# KiCad board bottom-board.kicad_pcb (continued)
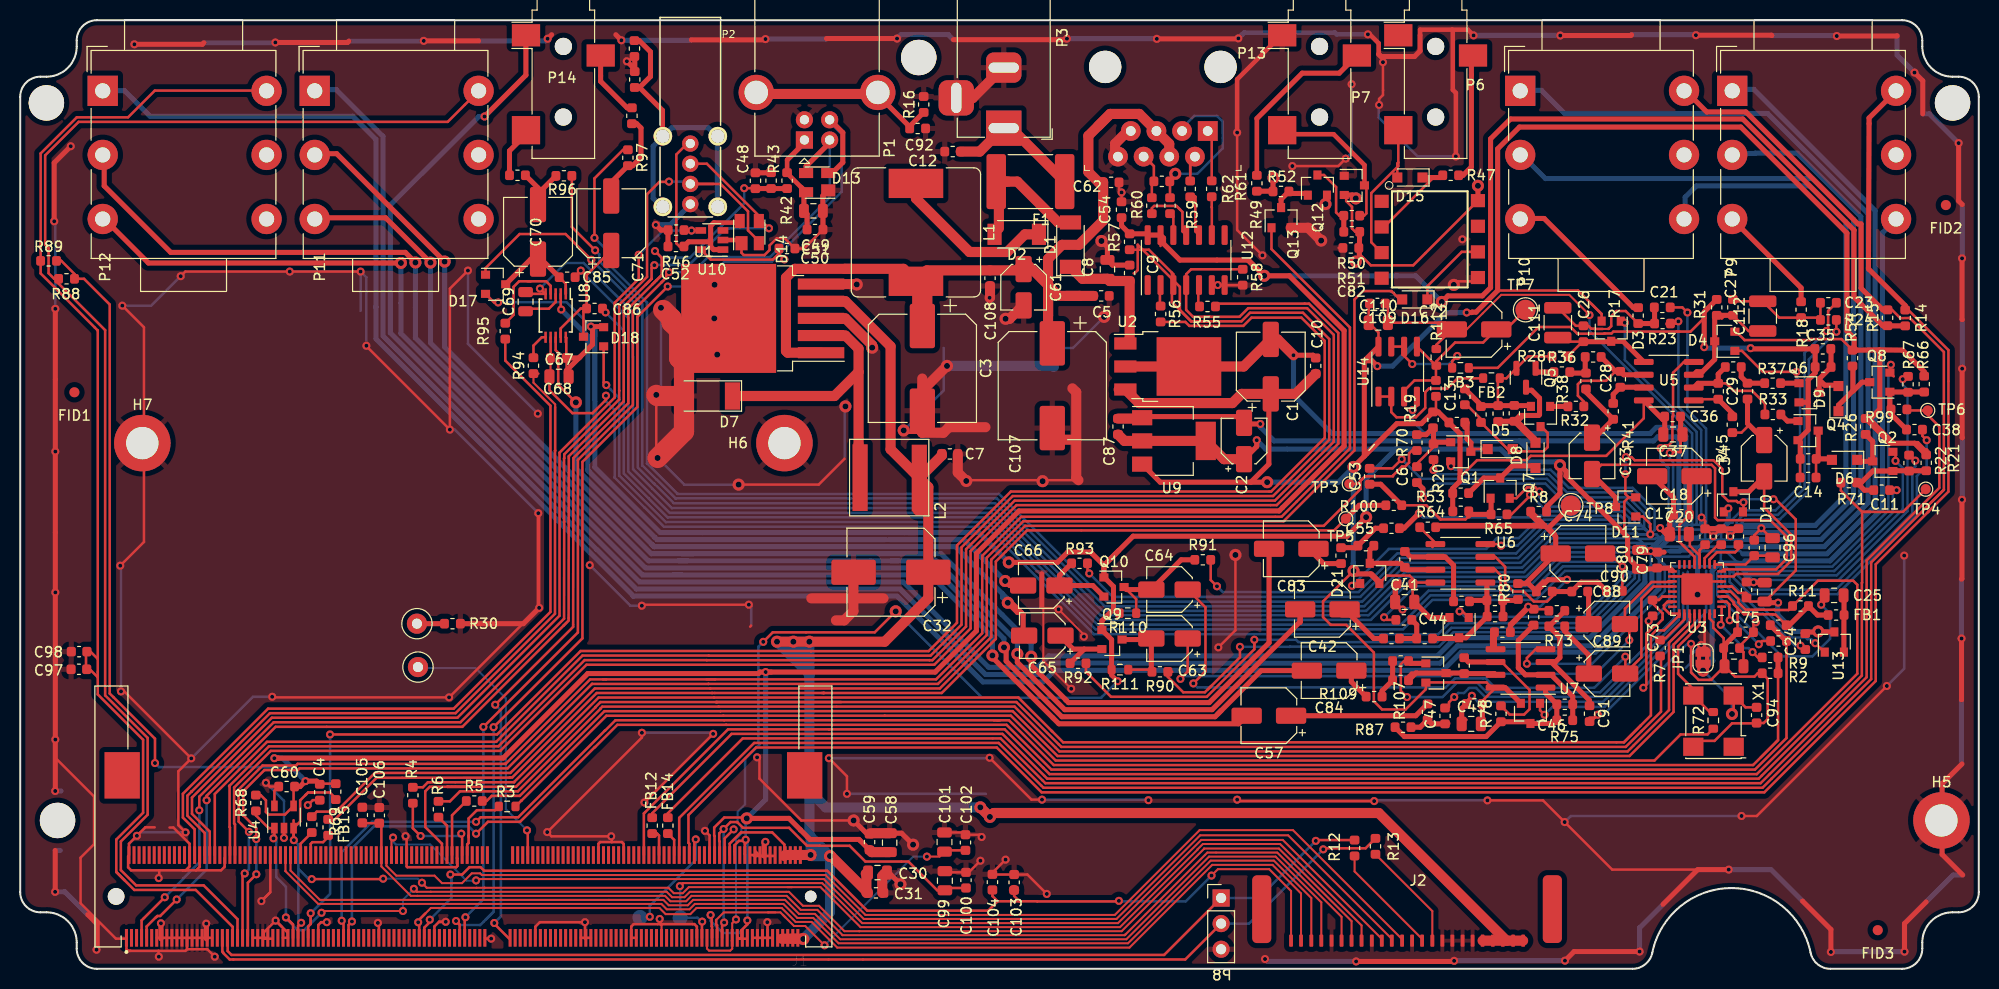
[diagram p0: board, top side]
## Footprints (pads in the part's own frame, mm; a bottom-side part is the same pattern mirrored in y, then rotated) (continued)
  rect 3.5x4.6 smd: S1(37.3,-12) S2(-30.3,-12)
TestPoint_Loop_D1.80mm_Drill1.0mm_Beaded
  round 2 hole 1: 1(0,0)
TestPoint_Pad_D1.0mm
  round 1 smd: 1(0,0)
TestPoint_Pad_D1.5mm
  round 1.5 smd: 1(0,0)
TestPoint_Pad_D2.0mm
  round 2 smd: 1(0,0)
TO-252-3_TabPin2
  rect 3.05x2.75 smd: (0.425,1.525) (0.425,-1.525) (3.775,1.525) (3.775,-1.525)
  rect 2.2x1.2 smd: 1(-4.2,2.28) 2(-4.2,0) 3(-4.2,-2.28)
  rect 6.4x5.8 smd: 2(2.1,0)
TO-263-5_TabPin3
  rect 4.55x5.25 smd: (0.95,2.775) (0.95,-2.775) (5.8,2.775) (5.8,-2.775)
  rect 4.6x1.1 smd: 1(-5.775,3.4) 2(-5.775,1.7) 3(-5.775,0) 4(-5.775,-1.7) 5(-5.775,-3.4)
  rect 9.4x10.8 smd: 3(3.375,0)
TSSOP-10_3x3mm_P0.5mm
  rect 1.1x0.25 smd: 1(-2.15,1) 2(-2.15,0.5) 3(-2.15,0) 4(-2.15,-0.5) 5(-2.15,-1) 6(2.15,-1) 7(2.15,-0.5) 8(2.15,0) 9(2.15,0.5) 10(2.15,1)
USB_A_Vertical
  round 1.62 hole 0.92: 1(0,0) 2(0,-2) 3(0,-4) 4(0,-6)
  round 1.85 hole 1.35: 5(-2.72,0.73) 5(-2.72,-6.27) 5(2.72,0.73) 5(2.72,-6.27)
USB_B_OST_USB-B1HSxx_Horizontal
  rect 1.7x1.7 hole 0.92: 1(0,0)
  round 1.7 hole 0.92: 2(0,-2.5) 3(2,-2.5) 4(2,0)
  round 3.5 hole 2.33: 5(4.71,4.77) 5(4.71,-7.27)

## Nets
+1V8: C99.1 C100.1 J1.228 J1.229
+3.3VA: C73.1 C75.1 C76.1 C77.1 C94.1 FB1.1 R1.1 R2.2 R11.2 U3.3 U3.22 U3.31 X1.4
+3V0: C101.1 C102.1 J1.227
+3V3: C4.2 C54.1 C58.1 C59.1 C60.2 J1.225 J1.226 J1.234 J1.235 J1.237 J1.238 J1.239 R14.1 R15.1 R57.1 R68.1 R69.1 R88.2 R89.2 U4.4 U12.13 U12.14
+5V: C7.1 C30.1 C31.1 C32.1 C51.1 C82.2 D12.2 J1.232 J1.251 J1.252 J1.253 J1.254 J1.255 J1.256 J1.257 J1.258 J1.259 J1.260 J2.20 J2.21 J2.22 J2.23 J2.24 L2.2 R49.2 R51.1 R52.1 U1.4 U10.5 U11.8
+5VA: C2.1 C24.2 C67.2 C68.1 C78.1 C79.1 C80.1 C81.1 C87.1 D10.2 D11.2 D17.2 D18.2 J1.223 J1.233 Q9.1 Q10.1 R8.2 R110.2 R111.2 U3.5 U3.17 U8.10 U9.2 U13.3
+10V: C1.1 C10.1 C36.1 C37.2 C39.1 C41.2 C43.1 C45.2 C109.2 C110.1 D3.2 D4.2 D19.2 D20.2 D21.2 D22.2 R19.2 R21.2 R25.2 R26.2 R53.2 R54.2 R64.2 R66.2 R101.2 U2.3 U5.8 U6.8 U7.8 U9.3 U14.8
+12V: C3.1 C5.1 C61.1 C62.1 C107.1 C108.1 L1.2 P13.4 P13.5 U1.1
GNDA: C1.2 C2.2 C6.2 C10.2 C11.2 C15.2 C16.2 C17.2 C18.2 C19.2 C20.1 C21.2 C23.2 C24.1 C25.1 C36.2 C37.1 C38.2 C39.2 C41.1 C43.2 C44.1 C45.1 C47.1 C53.2 C55.1 C56.1 C67.1 C68.2 C69.2 C72.2 C73.2 C74.2 C75.2 C76.2 C77.2 C78.2 C79.2 C80.2 C81.2 C85.1 C86.1 C87.2 C90.2 C91.2 C94.2 C95.2 C96.1 C109.1 C110.2 D3.1 D4.1 D10.1 D11.1 D17.1 D18.1 D19.1 D20.1 D21.1 D22.1 JP1.1 P9.R P9.S P9.TN P10.R P10.S P10.TN P11.S P12.S P14.S Q1.2 Q2.2 Q7.2 Q8.2 R20.1 R22.1 R23.1 R24.1 R65.1 R67.1 R90.1 R91.1 R92.1 R93.1 R96.1 R97.1 R112.1 U2.2 U3.6 U3.18 U3.33 U5.4 U6.4 U7.4 U8.5 U8.7 U9.1 U13.1 U14.4 X1.2
GNDD: C3.2 C4.1 C5.2 C7.2 C8.2 C9.2 C12.2 C30.2 C31.2 C32.2 C48.2 C49.2 C50.1 C51.2 C52.1 C54.2 C58.2 C59.2 C60.1 C61.2 C62.2 C82.1 C92.1 C93.1 C97.2 C98.2 C99.2 C100.2 C101.2 C102.2 C103.2 C104.2 C105.2 C106.2 C107.2 C108.2 D7.2 D12.1 D13.1 D14.1 H5.1 H6.1 H7.1 J1.1 J1.2 J1.13 J1.15 J1.17 J1.19 J1.21 J1.23 J1.25 J1.26 J1.27 J1.29 J1.30 J1.31 J1.33 J1.35 J1.40 J1.51 J1.53 J1.55 J1.57 J1.58 J1.59 J1.63 J1.65 J1.77 J1.101 J1.112 J1.123 J1.132 J1.143 J1.155 J1.173 J1.175 J1.177 J1.180 J1.190 J1.193 J1.195 J1.205 J1.219 J1.224 J1.230 J1.240 J1.241 J1.242 J1.243 J1.244 J1.245 J1.246 J1.247 J1.248 J1.249 J1.250 J2.5 J2.9 J2.13 J2.16 J2.17 J2.18 J2.19 JP1.2 P1.4 P2.4 P3.2 P3.3 P7.S P8.3 P13.7 P13.8 Q12.2 Q13.2 R16.2 R30.1 R43.2 R46.2 R48.2 R58.2 U1.3 U1.5 U3.30 U4.2 U4.5 U10.2 U11.5 U12.6 U12.7
/audio-inputs/INPUT_BIAS_1: C14.2 C35.2 FB3.1 Q4.2 Q6.2 R29.1 R31.1 R44.1
/audio-inputs/INPUT_BIAS_2: C13.2 C22.2 FB2.1 Q3.2 Q5.2 R27.1 R28.1 R40.1
CHAIN_UART_DE: J1.42 R58.1 U12.4
CHAIN_UART_RE: J1.36 R57.2 U12.3
CHAIN_UART_RX: J1.73 R56.2
CHAIN_UART_TX: J1.44 R55.2
CLI_UART_RX: J1.39 P8.2 R13.2
CLI_UART_TX: J1.41 P8.1 R12.2
CODEC_ADC_A: C34.2 D10.3 U3.7
CODEC_ADC_B: C33.2 D11.3 U3.8
CODEC_DAC_A: C63.1 C88.2 U3.19
CODEC_DAC_B: C64.1 C89.2 U3.20
CODEC_I2C_SCL: J1.89 R1.2 R10.2
CODEC_I2C_SDA: J1.87 R2.1 R9.2
CODEC_I2S_BCLK: J1.128 R6.2
CODEC_I2S_LRCK: J1.130 R5.2
CODEC_I2S_MCLK: J1.136 R3.2
CODEC_I2S_SDIN: J1.134 R4.1
CODEC_I2S_SDOUT: J1.126 R7.2
CODEC_RESET: J1.198 R11.1 U3.4
CODEC_SPDIF_OUT: U3.32
HMI_ISP_ENABLE: C103.1 C104.1 J1.119 J2.1
HMI_RESET: J1.117 J2.2
HMI_RFU_RX: J1.106 J2.11
HMI_RFU_TX: J1.104 J2.12
HMI_UART_RX: J1.64 J2.3
HMI_UART_TX: J1.66 J2.4
HP_CLOCK: J1.28 R95.1
HP_VOL: J1.32 R94.1
IN1_DETECT: J1.216 P9.SN R14.2
IN1_GC1: FB12.2 R71.1 TP4.1
IN1_GC2: FB14.2 R99.1 TP6.1
IN2_DETECT: J1.212 P10.SN R15.2
IN2_GC1: FB13.2 R70.1 TP3.1
IN2_GC2: FB15.2 R100.1 TP5.1
INPUT_BIAS: C72.1 R101.1 R112.2 TP7.1 U14.3 U14.5
MIDI_UART_RX: D16.2 J1.49
MIDI_UART_TX: J1.47 Q13.1
OUT1_DETECT: J1.45 P11.SN R88.1
OUT2_DETECT: C97.1 C98.1 J1.43 P12.SN R89.1
OUTPUT_BIAS: C74.1 R8.1 R76.2 R77.2 R79.1 R80.1 R82.1 R83.1 TP8.1
PM_LEDS_OE: C105.1 C106.1 J1.102 J2.6
PM_LEDS_SCL: J1.67 J2.7 R68.2 U4.1
PM_LEDS_SDA: J1.69 J2.8 R69.2 U4.3
POWER_BUTTON: J1.221 J2.10 Power1.1
RESET_BUTTON: J1.218 Reset1.1
RS485_RX+: P13.3 R59.1 R63.1
RS485_RX-: P13.6 R60.1 R63.2
RS485_TX+: P13.1 R61.1
RS485_TX-: P13.2 R62.1
UBOOT_BUTTON: J1.152 TP1.1
USB_DEV_DET: C48.1 J1.145 R42.2 R43.1
USB_DEV_DM: D13.3 J1.135 P1.2
USB_DEV_DP: D13.2 J1.133 P1.3
USB_HOST_DM: D14.3 J1.9 P2.2
USB_HOST_DP: D14.2 J1.7 P2.3
USB_HOST_DRV: J1.34 R46.1 U10.4
Net-(C6-Pad1): C6.1 Q1.1 R19.1 R20.2 R70.2
Net-(C8-Pad1): C8.1 C9.1 D1.1 U2.1
Net-(C11-Pad1): C11.1 Q2.1 R21.1 R22.2 R71.2
Net-(C12-Pad1): C12.1 F1.1 P3.1
Net-(C13-Pad1): C13.1 D5.2 Q3.3 R27.2
Net-(C14-Pad1): C14.1 D6.2 Q4.3 R29.2
Net-(C15-Pad1): C15.1 U3.11
Net-(C16-Pad1): C16.1 U3.10
Net-(C17-Pad1): C17.1 C18.1 U3.13
Net-(C19-Pad1): C19.1 C20.2 U3.12
Net-(C22-Pad1): C22.1 D8.2 Q5.3 R40.2
Net-(C23-Pad1): C23.1 C27.2 C112.2 R18.1 R24.2
Net-(C25-Pad2): C25.2 FB1.2 U13.2
Net-(C26-Pad1): C26.1 C111.1 D3.3 R28.2 U5.5
Net-(C26-Pad2): C21.1 C26.2 C111.2 R17.1 R23.2
Net-(C27-Pad1): C27.1 C112.1 D4.3 R31.2 U5.3
Net-(C28-Pad1): C28.1 R32.2 R34.2 U5.6
Net-(C28-Pad2): C28.2 R41.2 U5.7
Net-(C29-Pad1): C29.1 R33.2 R35.2 U5.2
Net-(C29-Pad2): C29.2 R45.2 U5.1
Net-(C33-Pad1): C33.1 R38.1 R41.1
Net-(C34-Pad1): C34.1 R39.1 R45.1
Net-(C35-Pad1): C35.1 D9.2 Q6.3 R44.2
Net-(C38-Pad1): C38.1 Q8.1 R66.1 R67.2 R99.2
Net-(C40-Pad1): C40.1 D19.3 R81.1 R84.2 R86.1 U6.1
Net-(C40-Pad2): C40.2 R80.2 R84.1 U6.2
Net-(C42-Pad1): C42.1 R105.2
Net-(C42-Pad2): C42.2 P11.T
Net-(C44-Pad2): C44.2 R86.2 R105.1
Net-(C46-Pad1): C46.1 D20.3 R75.2 R78.1 R87.1 U7.1
Net-(C46-Pad2): C46.2 R75.1 R83.2 U7.2
Net-(C47-Pad2): C47.2 R87.2 R107.1
Net-(C49-Pad1): C49.1 C50.2 D13.4 P1.1 R42.1
Net-(C52-Pad2): C52.2 D14.4 P2.1 U10.1
Net-(C53-Pad1): C53.1 Q7.1 R64.1 R65.2 R100.2
Net-(C55-Pad2): C55.2 R102.2 R108.1
Net-(C56-Pad2): C56.2 R106.2 R109.1
Net-(C57-Pad1): C57.1 R107.2
Net-(C57-Pad2): C57.2 P12.T
Net-(C63-Pad2): C63.2 Q9.3 R111.1
Net-(C64-Pad2): C64.2 Q10.3 R91.2 R110.1
Net-(C65-Pad1): C65.1 Q9.2 R92.2
Net-(C65-Pad2): C65.2 U8.8
Net-(C66-Pad1): C66.1 Q10.2 R93.2
Net-(C66-Pad2): C66.2 U8.2
Net-(C69-Pad1): C69.1 U8.3
Net-(C70-Pad1): C70.1 C85.2 D17.3 U8.1
Net-(C70-Pad2): C70.2 R96.2 R103.2
Net-(C71-Pad1): C71.1 C86.2 D18.3 U8.9
Net-(C71-Pad2): C71.2 R97.2 R104.1
Net-(C83-Pad1): C83.1 R108.2
Net-(C83-Pad2): C83.2 P11.R
Net-(C84-Pad1): C84.1 R109.2
Net-(C84-Pad2): C84.2 P12.R
Net-(C88-Pad1): C88.1 R74.1
Net-(C89-Pad1): C89.1 R73.1
Net-(C90-Pad1): C90.1 R74.2 R76.1 U6.3
Net-(C91-Pad1): C91.1 R73.2 R77.1 U7.3
Net-(C92-Pad2): C92.2 P1.5 R16.1
Net-(C93-Pad2): C93.2 P2.5 R48.1
Net-(C95-Pad1): C95.1 C96.2 U3.9
Net-(D1-Pad2): D1.2 D2.2 F1.2
Net-(D2-Pad1): D2.1 L1.1
Net-(D5-Pad1): D5.1 Q1.3 R25.1
Net-(D6-Pad1): D6.1 Q2.3 R26.1
Net-(D7-Pad1): D7.1 L2.1 U1.2
Net-(D8-Pad1): D8.1 Q7.3 R53.1
Net-(D9-Pad1): D9.1 Q8.3 R54.1
Net-(D12-Pad3): D12.3 P7.T R50.1
Net-(D15-Pad1): D15.1 R47.2 U11.2
Net-(D15-Pad2): D15.2 P6.T U11.3
Net-(D16-Pad1): D16.1 U11.6
Net-(D21-Pad3): D21.3 R85.2 R102.1 U6.7
Net-(D22-Pad3): D22.3 R98.2 R106.1 U7.7
Net-(FB2-Pad2): FB2.2 U14.1 U14.2
Net-(FB3-Pad2): FB3.2 U14.6 U14.7
Net-(FB12-Pad1): FB12.1 J1.204
Net-(FB13-Pad1): FB13.1 J1.70
Net-(FB14-Pad1): FB14.1 J1.210
Net-(FB15-Pad1): FB15.1 J1.74
Net-(J2-Pad14): J2.14 R12.1
Net-(J2-Pad15): J2.15 R13.1
Net-(P6-PadR): P6.R R47.1
Net-(P7-PadR): P7.R R49.1
Net-(P9-PadT): P9.T R18.2
Net-(P10-PadT): P10.T R17.2
Net-(P14-PadR): P14.R R104.2
Net-(P14-PadT): P14.T R103.1
Net-(Q3-Pad1): Q3.1 R32.1
Net-(Q4-Pad1): Q4.1 R33.1
Net-(Q5-Pad1): Q5.1 R36.1
Net-(Q6-Pad1): Q6.1 R37.1
Net-(Q12-Pad1): Q12.1 Q13.3 R52.2
Net-(Q12-Pad3): Q12.3 R50.2 R51.2
Net-(R3-Pad1): R3.1 R72.1
Net-(R4-Pad2): R4.2 U3.23 U3.25
Net-(R5-Pad1): R5.1 U3.28
Net-(R6-Pad1): R6.1 U3.27
Net-(R7-Pad1): R7.1 U3.26
Net-(R9-Pad1): R9.1 U3.1
Net-(R10-Pad1): R10.1 U3.2
Net-(R30-Pad2): R30.2 TP2.1
Net-(R34-Pad1): R34.1 R36.2 R38.2
Net-(R35-Pad1): R35.1 R37.2 R39.2
Net-(R55-Pad1): R55.1 U12.5
Net-(R56-Pad1): R56.1 U12.2
Net-(R59-Pad2): R59.2 U12.12
Net-(R60-Pad2): R60.2 U12.11
Net-(R61-Pad2): R61.2 U12.9
Net-(R62-Pad2): R62.2 U12.10
Net-(R72-Pad2): R72.2 U3.29 X1.3
Net-(R78-Pad2): R78.2 R98.1 U7.6
Net-(R79-Pad2): R79.2 U7.5
Net-(R81-Pad2): R81.2 R85.1 U6.6
Net-(R82-Pad2): R82.2 U6.5
Net-(R94-Pad2): R94.2 U8.6
Net-(R95-Pad2): R95.2 U8.4

Pads without a net: J1 3 4 5 6 8 10 11 12 14 16 18 20 22 24 37 38 46 48 50 52 54 56 60 61 62 68 71 72 75 76 78 79 80 81 82 83 84 85 86 88 90 91 92 93 94 95 96 97 98 99 100 103 105 107 108 109 110 111 113 114 115 116 118 120 121 122 124 125 127 129 131 137 138 139 140 141 142 144 146 147 148 149 150 151 153 154 156 157 158 159 160 161 162 163 164 165 166 167 168 169 170 171 172 174 176 178 179 181 182 183 184 185 186 187 188 189 191 192 194 196 197 199 200 201 202 203 206 207 208 209 211 213 214 215 217 220 222 231 236 S1 S2; J2 25; P6 S; P9 RN; P10 RN; P11 RN TN; P12 RN TN; R90 2; U3 14 15 16 21 24; U10 3; U11 1 4 7; U12 1 8; X1 1

## Via types
v1: diameter 0.8, hole 0.4, Top to Bottom, 281 vias
v2: diameter 1.2, hole 0.6, Top to Bottom, 62 vias

## Routing (per net, layer and track width the routed paths; a pad name or vN(x,y) marks a point on that pad's centre or on a via; arc(x,y) is an arc through that point)
+1V8: length 40.9
  Top w0.25: J1.229 69.53,4.39 v1(69.72,4.59) ; C100.1 91.82,8.01 C99.1 90.83,7.78 87.98,10.63 83.72,10.63 82.16,12.19 79.19,12.19 79.18,12.21 77.92,12.21 76.16,13.97 71.59,13.97 71.02,14.54 70.36,14.54 v1(69.67,13.85) 69.24,13.42 69.24,12.65 69.28,12.62 J1.228
  Bottom w0.25: v1(69.67,13.85) 69.67,4.65 v1(69.72,4.59)
+3.3VA: length 75.1
  Top w0.25: U3.3 169.01,36.88 ; U3.3 169.15,36.88 169.74,36.29 ; U3.3 168.97,36.88 ; 169.74,36.12 170.73,35.13 173.56,35.13 173.59,35.1 173.87,35.1 R1.1 175.36,34.05 ; 169.74,36.12 169.74,36.29 ; 169.74,36.12 170.1,35.76 C75.1 ; R11.2 176.28,35.1 ; v1(165.5,32.2) 165.5,29.38 166.25,28.63 167.51,28.63 167.51,28.67 C76.1 169.84,28.95 171.77,28.95 172.1,29.29 R2.2 173.09,28.74 173.09,24.75 172.7,24.36 C94.1 171.95,24.32 169.56,24.32 167.82,22.59 166.31,22.59 X1.4 ; 162.74,36.88 U3.22 162.64,36.88 162.3,36.54 161.81,36.54 ; 169.74,36.29 169.63,36.4 ; C73.1 161.69,36.21 162.68,35.22 162.68,34.63 162.04,33.99 161.85,33.99 ; 161.17,33.3 161.85,33.99 ; 161.17,33.3 161.85,33.99 ; 161.17,33.3 161.07,33.21 161.07,28.15 v1(160.77,27.85) ; 167.39,35.14 U3.31 167.34,34.71 167.69,34.36 167.69,33.8 168.73,32.77 C77.1
  Top w0.5: C76.1 168.81,31.69 C77.1 168.73,31.98 C75.1 ; 161.71,36.44 161.81,36.54 ; FB1.1 178.02,35.06 R11.2 175.23,34.05 R1.1
  Bottom w0.25: 165.31,32.4 165.31,32.39 v1(160.77,27.85) 163.2,30.28
+3V0: length 33.1
  Top w0.2: 68.94,4.84 69.69,5.59 74.08,5.59 ; 74.08,5.59 74.81,5.59 ; 74.08,5.59 75.3,5.59 75.78,5.12 ; 75.55,5.34 75.78,5.12 ; 75.78,5.12 76.65,4.24 77.76,4.24 v1(79.67,2.33) 79.68,2.34 ; v1(89.81,11.12) 91.06,11.12 C101.1
  Top w0.25: C101.1 91.68,11.74 C102.1 ; 68.94,4.84 68.94,4.4 69.03,4.32 J1.227
  Bottom w0.2: v1(79.67,2.33) 88.46,11.12 v1(89.81,11.12)
+3V3: length 405.5
  Top w0.25: J1.226 68.78,13.15 68.74,13.19 68.74,14 69.74,14.99 71.88,14.99 v2(71.97,14.91) ; v1(68.38,5.33) 68.49,5.22 68.49,4.21 68.53,4.18 J1.225 ; R89.2 4.07,70.15 5.38,68.85 R88.2 ; R88.2 6.32,68.37 8.87,65.83 8.87,27.28 9.22,26.93 9.23,26.93 13.35,22.8 v1(13.35,20.39) ; R88.2 5.81,68.37 ; 71.75,11.38 71.78,11.4 71.78,12.38 71.86,12.47 71.86,12.68 71.19,12.68 70.75,12.24 70.75,11.63 70.78,11.6 J1.234 ; 71.44,2.99 71.44,3.82 72.02,4.4 v1(72.02,4.79) ; 71.41,3.01 71.44,2.98 ; 71.44,2.98 71.94,2.98 ; 71.44,2.98 71.22,2.98 71.12,3.07 J1.235 ; 71.44,2.98 71.39,3.03 ; 31.25,18.35 29.73,18.35 C4.2 ; 112.95,71.63 U12.13 ; C60.2 27.08,17.96 U4.4 26.22,15.28 24.59,15.28 24.34,15.54 24.34,16.69 23.81,17.22 R68.1
  Top w0.5: C54.1 109.09,73.63 R57.1 111.56,72.83 U12.14 U12.13 113.25,72.41 113.25,71.85 114.87,70.23 121.6,70.23 ; 121.6,70.23 121.66,70.23 v2(123.22,68.67) 125.71,68.67 131.13,63.25 131.13,51.8 124.7,45.37 98.92,45.37 94.71,41.16 94.71,33.49 90.63,29.41 v1(73.84,29.41) ; 121.6,70.23 122.19,69.64 ; C59.1 83.08,12.82 78.23,12.82 77.29,13.76 77.29,13.77 76.15,14.91 v2(71.97,14.91) ; v1(25.17,20.87) 25.55,20.87 25.57,20.89 47.85,20.89 56.22,29.26 73.12,29.26 73.27,29.41 v1(73.84,29.41) ; v1(73.84,29.41) 74.41,29.41 ; 27.19,18.05 C60.2 27.72,18.06 v1(28.26,18.6) 29.36,18.6 C4.2 ; R14.1 184.97,63.71 R15.1 184.49,63.72 181.64,66.57 181.64,73.19 170.62,84.21 147.61,84.21 145.64,82.24 145.64,67.5 144.82,66.68 141.41,66.68 v2(140.81,66.08)
  Top w1: C59.1 84.34,11.56 C58.1
  Bottom w0.25: v1(13.35,20.39) 13.75,19.99 26.87,19.99 27.81,19.06 ; v1(68.38,5.33) 68.38,4.76 69.59,3.55 71.17,3.55 72.02,4.4 v1(72.02,4.79) 72.02,12.52 71.86,12.68 71.86,14.36 71.64,14.58
  Bottom w0.5: v2(123.22,68.67) 136.34,68.67 136.34,68.67 138.22,68.67 v2(140.81,66.08) ; v1(25.17,20.87) 25.99,20.87 v1(28.26,18.6) ; v2(71.97,14.91) 73.84,16.78 v1(73.84,29.41)
  vias: v1(71.86,12.79)
+5V: length 246.9
  Top w0.25: J1.232 70.28,12.4 71.4,13.52 74.49,13.52 75.69,12.32 75.69,11.19 ; R51.1 132.24,73.03 131.91,73.36 131.91,75.51 131.34,76.08 131.34,76.73 ; v1(75.69,70.3) 75.16,70.83 C51.1 75.16,70.9 74.54,70.28 68.4,70.28 U10.5 ; C82.2 132.59,70.9 133.78,69.71 137.98,69.71 U11.8
  Top w0.5: R51.1 132.64,71.28 ; U11.8 v2(144.39,77.59) ; v2(132.29,76.34) 131.95,76.68 D12.2 ; R49.2 124.06,77.06 R52.1 124.09,78.33 v2(124.14,78.38) ; v2(132.29,70.08) 132.64,70.43 132.64,71.23 ; U10.5 67.61,71.27
  Top w1: 83.81,7.52 83.81,9.37 83.75,9.43 ; v2(78.29,11.28) 75.79,11.28 75.69,11.18 ; v2(80.21,11.17) 80.33,11.17 C31.1 ; 147.21,2.79 J2.20 ; 147.21,2.79 134.56,15.44 96.44,15.44 v2(96.05,15.05) v2(95.1,16) ; 147.21,2.79 J2.24 ; 76.44,2.98 77.54,2.98 v2(77.56,2.96) ; 88.91,45.43 89.22,45.43 ; v2(74.96,32.42) v2(76.58,32.42) v2(78.17,32.42) 85.64,32.42 89.95,36.73 C32.1 89.95,47.74 L2.2 ; L2.2 91.29,50.87 C7.1 ; L2.2 86.21,51.48 86.21,61.68 81.74,66.15 U1.4 ; 76.94,2.98 75.44,2.98
  Bottom w1: v2(78.29,11.28) 78.4,11.17 v2(80.21,11.17) ; v2(78.29,11.28) 79.06,12.06 79.33,12.06 ; v2(78.29,11.28) 78.29,13.09 78.17,13.21 ; v2(74.96,32.42) 78.17,29.21 78.17,29.05 ; v2(74.96,32.42) v2(78.17,32.42) 78.17,30.86 ; v2(74.96,32.42) 74.94,32.4 ; 78.17,30.86 78.13,30.86 v2(76.58,32.42) ; 78.17,30.86 78.17,29.95 ; v2(77.56,2.96) 80.21,5.6 v2(80.21,11.17) ; 78.17,13.21 78.17,17.63 ; 78.17,13.21 79.33,12.06 ; v2(76.58,32.42) 76.58,31.54 78.17,29.95 ; v2(76.58,32.42) 76.47,32.31 ; 78.17,29.05 78.17,17.63 ; 78.17,29.05 78.17,29.95 ; v2(80.21,11.17) 79.33,12.06 ; 78.17,17.63 79.79,16 v2(95.1,16) v2(96.05,15.05)
+5VA: length 360.1
  Top w0.2: J1.223 68.03,2 68.23,1.8 70.33,1.8 70.53,2 J1.233 70.53,4.52 v1(70.9,4.89) ; C68.1 54.1,60.52 54.1,59.01
  Top w0.25: 159.32,46.72 158.99,47.05 v1(158.99,49.01) ; 159.32,46.72 158.89,46.29 158.89,43.11 159.22,42.79 ; 159.32,46.72 D11.2 159.97,46.72 ; 70.51,2.77 70.5,2.78 ; 169.37,37.88 169.55,37.88 170.18,37.26 170.93,37.26 170.99,37.19 C81.1 171.35,36.39 C78.1 175.87,39.47 175.87,44.53 173.87,46.53 v1(173.66,46.53) 173.82,46.38 ; 169.37,37.88 U3.5 ; 169.37,37.88 169.44,37.88 ; D10.2 170.69,45.33 v1(170.69,46.23) 170.12,46.23 170,46.36 169.18,46.36 168.59,46.94 168.59,49.52 167.72,50.39 159.92,50.39 159.61,50.71 v1(159.04,50.71) ; v1(47.34,66.03) 46.94,66.03 D17.2 ; U8.10 54.09,62.53 C68.1 ; v1(73.6,32.4) 74.54,33.34 84.64,33.34 v2(86.72,35.42) ; R110.2 108.68,35.24 108.29,35.63
  Top w0.45: v1(108.7,28.5) 108.1,29.1 R111.2
  Top w0.48: 159.21,41.73 159.21,41.78
  Top w0.5: 176.81,33.37 178.03,33.37 v2(178.09,33.43) 179.68,33.37 U13.3 ; 54.1,59.01 54.1,59.28 55.45,60.63 ; 160.47,39.63 162.22,39.63 162.29,39.71 163.4,39.71 163.65,39.46 ; 152.42,49.81 v2(152.52,49.91) ; v2(152.52,49.91) 152.52,47.11 151.19,45.78 R8.2 ; v2(152.52,49.91) 153.11,49.31 153.11,48.83 155.49,46.46 155.55,46.46 159.22,42.79 159.21,40.78 C80.1 ; v2(97.92,40.27) 102.74,40.27 103.77,41.3 106.02,41.3 ; 108.82,41.46 107.34,39.98 ; C2.1 122.48,51.76 v1(122.48,52.38) ; Q10.1 107.34,39.98 ; Q10.1 107.34,39.68 ; Q10.1 107.39,38.78 108.29,37.88 108.29,35.63 107.14,34.48 Q9.1 108.1,32.62 R111.2 ; 107.34,39.98 106.02,41.3 ; 107.34,39.98 110.23,42.87 131.43,42.87 v2(133.31,44.76) ; 106.02,41.3 106.16,41.16 ; v1(174.12,36.28) 172.9,36.28 C78.1 ; 55.45,60.63 55.35,60.53 C68.1 ; 55.45,60.63 56.69,61.87 56.69,63.48 v1(56.53,63.64) 57.73,63.64 D18.2
  Top w1: C2.1 119.24,50.5 U9.2 U9.2 109.38,52.31 C87.1
  Bottom w0.2: v1(70.9,4.89) 70.9,12.87 71.43,13.41 71.43,14.1 71.06,14.47 71.06,15.56 71.8,16.3
  Bottom w0.25: v1(159.04,50.71) 158.99,50.66 v1(158.99,49.01) ; v1(73.6,32.4) 73.11,31.91 73.11,22.41 73.26,22.26 71.8,20.8 71.8,16.3 ; 57.07,56.22 56.91,56.22 56.79,56.34 56.79,63.2 ; v1(108.7,28.5) 107.05,26.85 95.29,26.85 v2(86.72,35.42) ; v1(47.34,66.03) 47.37,66.06 54.11,66.06 v1(56.53,63.64) ; v1(173.66,46.53) 170.99,46.53 v1(170.69,46.23)
  Bottom w0.5: v1(174.12,36.28) 174.07,36.23 174.07,35.11 175.75,33.43 v2(178.09,33.43) ; 136.25,51.5 123.36,51.5 v1(122.48,52.38) ; 136.25,51.5 133.31,48.57 v2(133.31,44.76) ; 136.25,51.5 137.46,51.5 ; 136.25,51.5 146.63,51.5 147.89,50.24 152.18,50.24 v2(152.52,49.91) ; 56.92,62.64 56.92,63.26 ; 56.92,62.64 56.92,49.7 63.39,43.23 67.58,43.23 ; 56.92,62.64 56.92,63.25 v1(56.53,63.64) ; 88.64,43.23 87.98,43.23 ; 87.98,43.23 87.54,43.23 ; 87.98,43.23 94.96,43.23 v2(97.92,40.27) ; 87.54,43.23 88.69,43.23 ; 87.54,43.23 67.58,43.23 ; 67.58,43.23 66.39,43.23
+10V: length 332.6
  Top w0.25: 177.4,62.4 180.4,62.4 R54.2 ; 177.4,62.4 177.2,62.4 ; 177.4,62.4 177.3,62.3 170.8,62.3 169.97,63.13 D4.2 170.11,63.13 ; C109.2 133.57,65.85 C110.1 134.53,63.06 U14.8 ; D21.2 134.62,38.23 135.35,38.96 137.62,38.96 137.95,38.63 C39.1 ; 188.79,51.37 187.98,52.18 185.62,52.18 183.27,54.53 R26.2 ; v2(132.06,39.43) 129.05,36.42 129.05,34.85 129.81,34.08 131.34,34.08 134.08,31.34 134.08,26.51 134.89,25.7 137.22,25.7 139.23,27.71 D22.2 ; U6.8 138.07,38.28 C39.1 ; C39.1 137.93,38.13 137.93,36.06 ; D3.2 156.64,64.88 ; 156.64,64.88 154.31,67.21 146.34,67.21 ; 156.64,64.88 155.63,65.89 ; 139.43,28.38 145.25,28.38 145.7,27.93 ; 144.8,24.66 144.8,26.23 144.83,26.26 144.83,26.55 U7.8 ; 142.61,48.71 144.3,50.4 147.55,50.4 147.55,50.41 149.21,50.41 149.63,50.83 157.09,50.83 160.81,54.56 U5.8 ; R101.2 140.23,55.47 R19.2 140.41,55.18 140.47,55.13 ; 183.79,61.33 181.97,61.31 ; 183.79,61.33 184.19,60.93 ; 183.79,61.33 186.45,61.31
  Top w0.5: U5.8 162.71,54.43 162.89,54.43 162.89,52.73 ; R66.2 188.59,59.17 186.45,61.31 184.19,61.33 ; R26.2 185.24,52.08 187.64,52.08 R21.2 188.79,51.37 ; 183.27,54.53 184.19,55.46 184.19,61.33 ; 121.89,48.22 123.68,50.01 123.68,56.78 C1.1 ; 121.89,48.22 v2(123.51,48.22) ; 121.89,48.22 112.92,48.22 U9.3 ; D19.2 139.63,34.81 C41.2 ; 133.85,39.13 134.62,38.36 D21.2 ; 133.13,50.8 136.35,54.02 138.78,54.02 R19.2 140.47,55.18 R25.2 142.61,53.03 142.61,48.33 141.89,47.61 R53.2 141.89,45.34 R64.2 ; 133.13,50.8 v2(132.06,49.73) 132.57,49.73 132.61,49.77 ; 133.13,50.8 133.13,60.25 ; U7.8 147.09,27.86 D20.2 ; C45.2 144.83,24.42 144.83,26.26 ; 184.19,61.33 181.97,61.31 R54.2 181.66,61.47 181.66,62.48 180.94,63.2 180.94,72.9 170.43,83.41 148.5,83.41 146.34,81.25 146.34,67.21 144.2,65.07 143.82,65.07 143.77,65.03 v1(143.28,65.03) ; 133.13,60.25 U14.8 ; 133.13,60.25 133.89,60.25 v1(134.42,59.72) ; v2(132.06,39.43) 132.37,39.13 133.72,39.13 134.62,38.23
  Top w1: 108.81,57.41 U2.3 110.81,56.06 120.07,56.06 120.98,56.97 C1.1 126.34,56.97 C10.1
  Bottom w0.5: v2(132.06,39.43) 132.04,39.46 132.04,40.18 ; v2(123.51,48.22) 130.56,48.22 v2(132.06,49.73) 132.04,49.71 132.04,40.18 ; v1(143.28,65.03) 141.24,65.03 135.93,59.72 v1(134.42,59.72) ; 132.04,40.18 132.04,39.88
+12V: length 92.6
  Top w1: 107.97,84.71 110.85,84.71 113.81,81.75 113.81,80.48 ; 107.97,84.71 105.8,82.54 105.8,78.96 106.83,77.93 C62.1 107.27,74.14 104.87,71.74 103.2,71.74 101.81,70.35 101.81,67.72 ; 107.97,84.71 106.79,83.53 ; 101.81,64.74 101.81,67.72 ; 101.81,64.74 101.81,67.75 99.52,70.04 98.69,69.21 C108.1 89.81,69.21 L1.2 87.49,69.36 81.68,69.36 ; 101.81,64.74 101.81,61.97 ; 101.81,67.72 102.85,66.68 104.93,66.68 ; 104.93,66.68 C5.1 ; 104.93,66.68 103.66,66.68 ; 82.35,69.36 81.68,69.36 ; 81.68,69.36 76.72,69.36 75.85,68.49 75.85,61.23 76.03,61.05 U1.1
  Top w2: 89.35,62.82 89.35,67.5 L1.2
GNDA: length 3531.1
  Top w0.2: 52.53,59.01 52.53,60.52 52.52,60.53 ; v1(155.44,64.78) 153.44,66.78 146.69,66.78 143.27,63.36 C72.2
  Top w0.25: C90.2 158.69,39.86 v1(158.71,39.88) 157.44,41.16 ; C67.1 52.42,57.34 54.7,55.06 56.7,55.06 58.02,56.38 v1(58.02,56.79) ; 165.77,60.14 164.79,60.14 163.72,59.06 163.72,54.78 ; v1(56.95,71.2) 54.64,73.51 R96.1 ; v1(131.91,37.96) 132.14,38.18 D21.1 ; 163.8,43.21 163.8,42.73 163.77,42.73 163.12,43.38 ; C77.2 170.69,31.39 C76.2 ; 161.81,34.97 161.68,34.97 ; 161.68,34.97 C73.2 ; 161.68,34.97 161.56,35.08 ; U7.4 150.11,31.67 149.24,30.8 v1(149.24,30.23) ; 163.19,63.91 163.22,63.94 R23.1 164.03,63.94 v1(164.24,64.16) ; C23.2 179.08,65.19 179.08,63.38 v1(178.9,63.2) ; v1(150.99,25.17) 150.54,25.62 D20.1 ; 122.24,32.04 v1(122.24,32.61) 122.24,31.66 117.53,26.96 108.04,26.96 105.56,29.44 R92.1 105.56,29.81 ; 141.53,25.93 141.53,26.42 v1(142.04,26.93) ; v1(139.98,49.43) 139.99,49.44 R20.1 139.99,49.88 ; v1(56.88,72.43) 56.88,78.32 59.72,81.16 R97.1 ; C94.2 170.89,25.91 X1.2 169.72,25.42 v2(169.55,25.25) ; v1(186.47,58.43) 186.74,58.71 186.99,58.71 ; U6.4 146.53,42.09 v1(146.69,41.93) ; Q7.2 148.19,46.63 149.27,47.71 150.07,47.71 v1(150.47,47.31) ; JP1.1 v2(166.69,29.56) ; v1(55.53,69.19) 54.97,68.62 C85.1 ; v1(137.37,26.93) 136.75,27.55 136.75,30.18 137.08,30.51 C56.1 ; v1(105.89,39.18) 105.72,39.36 R93.1 ; U8.7 52.54,60.56 52.52,60.53 ; Q1.2 141.69,49.83 v1(141.72,49.81) ; 170.3,31.98 C75.2 171.68,34.09 v1(171.91,34.33) ; v1(137.92,55.37) 138.34,55.8 U14.4 ; C38.2 188.41,52.81 v1(188.84,52.38) ; D4.1 170.54,61.23 172.62,59.15 v1(175.93,59.15) ; v1(163.39,51.12) 163.47,51.2 164.47,51.2 164.47,52.73 164.47,51.42 ; v1(187.72,50.36) 187.16,50.91 R22.1 ; D18.1 57.79,58.1 v1(58.05,57.84) ; v1(166.54,44.72) 166.89,44.37 C19.2 166.96,43.61 v1(167.7,42.87) 168.43,43.61 C15.2 168.65,43.61 v1(169.39,42.87) 170.13,43.62 C16.2 ; C95.2 171.76,42.96 v1(172.46,43.66) 173.31,42.81 173.31,42.48 ; 117.61,27.66 117.96,28.01 ; 117.96,28.01 117.95,28.01 117.34,27.4 115.2,27.4 113.68,28.92 R90.1 ; 117.96,28.01 120.81,30.87 v1(120.81,31.91) ; 168.58,38.33 U3.6 166.84,38.38 U3.33 ; 176.81,31.49 176.81,31.56 v1(176.34,32.03) ; 161.44,34.72 C73.2 ; C73.2 161.69,34.77 161.18,34.26 ; v1(185.29,59.86) 185.19,59.76 Q8.2 185.56,58.71 ; C91.2 155.58,24.5 v1(156.26,25.18) 155.97,24.89 155.43,24.89 ; C109.1 135.47,65.67 C110.2 141.15,64.02 C72.2 140.27,61.83 R112.1 ; v1(136.92,35.6) 136.92,35.62 C41.1 ; D10.1 168.79,45.28 ; v1(179.9,63.12) 179.89,63.14 R24.1 ; 143.47,35.07 D19.1 142.86,35.42 v1(142.57,35.42) ; U3.33 166.09,37.13 v2(166.14,37.08) ; U3.33 166.84,36.88 ; D3.1 158.79,64.18 v1(158.94,64.03) ; R90.1 113.68,28.94 ; R90.1 114.12,29.43 ; C25.1 178.73,36.42 v1(178.39,36.08) ; 155.27,64.96 v1(155.44,64.78) ; C53.2 135.93,49.59 v1(136.84,50.51) ; 185.77,51.41 185.59,51.23 Q2.2 185.75,50.97 v1(185.75,50.33) ; C86.1 57.68,65.34 v1(57.98,65.04) ; v1(165.14,65.03) 164.63,65.54 C21.2 ; v1(149.55,46.99) 149.55,46.87 147.7,45.03 147.27,45.03 ; D11.1 160.72,44.82 161.47,44.08 v1(161.47,43.06) ; 163.69,54.76 163.72,54.78 ; 163.72,54.78 163.65,54.72 163.65,52.25 163.28,51.88 162.89,51.88 162.61,51.6 v1(162.48,51.6) ; R91.1 117.92,38.53 v1(118.54,37.91) ; 50.34,66.98 50.44,66.88 U8.5 52.01,66.88 v1(51.48,67.41) ; C43.2 143.25,26.52 v1(143.79,27.06) ; C44.1 135.34,34.58 v1(135.09,34.83) ; 136.35,36.42 136.35,38.13 C39.2 ; U3.18 164.84,38.88 ; 185.72,47.46 185.69,47.43 C11.2 v1(185.86,47.43) ; D17.1 46.09,69.43 49.47,72.81 54.02,72.81 v1(56.57,70.26) ; 143.25,24.68 143.22,24.66 ; v1(177.8,32.27) 178.68,31.38 U13.1
  Top w0.5: C39.2 136.19,37.97 C41.1 ; v1(45.99,84.46) 50.09,88.56 50.09,92.08 ; D22.1 137.76,30.26 C56.1 ; v1(162.44,43.68) 163.05,43.07 C20.1 163.38,44.61 C17.2 163.76,46.7 C18.2 ; 163.44,63.97 163.19,63.91 ; C78.2 v1(171.69,38.31) 171.66,38.33 C81.2 ; Q7.2 147.54,46.53 ; 164.47,52.73 164.47,54.43 ; 162.83,41.28 160.69,41.28 160.47,41.51 161.4,41.51 v1(161.51,41.4) ; C43.2 142.78,25.79 C45.1 ; D10.1 168.84,45.28 v1(169.19,45.63) ; v1(138.93,46.66) 138.93,47.59 C6.2 ; U9.1 111.24,54.72 120.6,54.72 C2.2 121.33,53.99 v1(122.83,53.99) ; v1(138.54,45.13) 137.06,43.66 C55.1 ; v1(126.12,60.8) 128.05,60.8 C10.2 ; 169.79,43.61 C15.2 C19.2 168.42,43.61 168.49,43.53 ; 141.52,50.46 Q1.2
  Top w1: U9.1 111.04,54.52 C87.2 ; v1(126.12,60.8) 124.55,62.37 C1.2 121.19,59.69 U2.2
  Bottom w0.2: 163.42,41.4 163.44,41.38
  Bottom w0.25: 170.62,41.12 170.34,41.4 v1(161.51,41.4) ; v1(105.89,39.18) 108.22,36.86 132.74,36.86 136.59,40.71 148.39,40.71 151.27,43.58 160.94,43.58 v1(161.47,43.06) ; v1(161.51,41.4) 159.78,43.13 151.49,43.13 148.59,40.23 136.77,40.23 132.91,36.38 107.63,36.38 96.96,47.06 65.12,47.06 62.09,50.08 62.08,50.08 62.08,66.03 58,70.11 58,71.31 v1(56.88,72.43) ; v1(161.51,41.4) 160.35,41.4 160.22,41.27 152.25,41.27 149.35,38.37 137.57,38.37 133.78,34.58 106.83,34.58 96.23,45.18 64.34,45.18 60.24,49.28 60.24,64.48 v1(55.53,69.19) ; v1(161.51,41.4) 164.12,44.01 166,44.01 ; v1(161.51,41.4) 161.51,39.94 161.62,39.83 ; v1(161.51,41.4) 162.05,40.86 165.27,40.86 166.89,42.48 166.89,43.53 ; v1(161.51,41.4) 165.92,41.4 166.14,41.18 ; v1(161.51,41.4) 159.98,41.4 159.62,41.76 152.08,41.76 149.16,38.84 137.36,38.84 133.55,35.03 107.02,35.03 96.4,45.66 64.54,45.66 62.6,47.6 62.6,47.61 60.7,49.51 60.7,60.67 60.69,60.68 60.69,65.06 55.81,69.94 54.02,69.94 v1(51.48,67.41) ; v1(161.51,41.4) 161.94,41.83 170.67,41.83 ; v1(161.51,41.4) 163.72,43.6 163.72,50.23 163.39,50.55 v1(163.39,51.12) ; v1(161.51,41.4) 162.65,42.54 170.7,42.54 ; v1(161.51,41.4) 168.95,41.4 170.12,40.23 170.12,38.98 171.52,37.58 179.84,37.58 187.41,45.16 187.41,49.49 187.72,49.79 v1(187.72,50.36) ; v1(161.51,41.4) 163.64,43.53 165.55,43.53 ; v1(161.51,41.4) 160.71,42.2 151.85,42.2 148.95,39.3 137.15,39.3 133.32,35.47 107.23,35.47 96.57,46.13 64.74,46.13 62.83,48.04 62.82,48.04 61.17,49.69 61.17,65.66 v1(56.57,70.26) ; v1(161.51,41.4) 163.42,41.4 ; v1(161.51,41.4) 162.89,40.02 162.89,37.43 155.69,30.23 v1(149.24,30.23) ; v1(161.51,41.4) 163.34,39.57 163.34,36.28 ; v1(161.51,41.4) 162.31,40.6 162.31,39.52 ; v1(161.51,41.4) 163.03,39.88 165.22,39.88 ; v1(161.51,41.4) 161.51,41.77 163.12,43.38 ; 168.44,40.31 168.02,39.88 165.22,39.88 ; 168.44,40.31 169.44,39.31 169.72,39.31 169.72,38.73 171.33,37.12 180,37.12 187.87,44.99 187.87,48.83 188.84,49.81 v1(188.84,52.38) ; 168.44,40.31 168.87,39.88 168.87,39.13 ; 168.44,40.31 169.97,40.31 170.85,39.42 179.69,39.42 185.49,45.22 185.49,47.04 ; 168.44,40.31 169.31,39.43 169.31,38.33 171.98,35.67 172.7,35.67 175.54,32.83 176.87,32.83 177.03,32.67 177.4,32.67 v1(177.8,32.27) ; 168.44,40.31 168.44,39.56 168.09,39.21 168.09,37.03 171.56,33.56 171.89,33.56 174.49,30.96 177.52,30.96 179.27,32.71 179.27,35.21 v1(178.39,36.08) ; 168.44,40.31 168.49,37.75 v1(171.91,34.33) ; 168.44,40.31 170.71,40.31 170.82,40.42 ; 168.44,40.31 168.49,43.53 ; 167.04,43.53 165.55,43.53 ; 167.04,43.53 166.99,43.58 166.99,53.52 165.14,55.37 v1(165.14,65.03) ; 167.04,43.53 167.27,43.53 ; 165.55,43.53 165.6,43.58 165.6,53.05 155.44,63.21 v1(155.44,64.78) ; 159.09,39.16 154.82,34.88 143.11,34.88 v1(142.57,35.42) ; 168.49,43.53 169.54,43.53 170.02,44.01 170.02,44.33 170.66,44.98 174.09,44.98 176.74,47.63 176.74,61.04 v1(178.9,63.2) ; 168.49,43.53 170.53,43.53 170.83,43.23 ; 168.49,43.53 170.19,43.53 170.6,43.94 ; 168.49,43.53 169.17,44.21 169.62,44.21 169.62,44.56 170.49,45.43 173.87,45.43 176.29,47.86 176.29,58.23 175.93,58.58 v1(175.93,59.15) ; 168.49,43.53 167.27,43.53 ; v2(169.55,25.25) 169.55,26.7 v2(166.69,29.56) ; 158.74,40.83 152.41,40.83 149.49,37.91 138.16,37.91 v1(135.09,34.83) ; v1(131.91,37.96) 135.56,41.61 145.22,41.61 146.16,42.56 146.16,42.58 146.27,42.68 148.44,42.68 150.64,44.88 ; 162.47,50.41 162.47,50.41 163.27,49.61 ; 162.47,50.41 162.47,51.31 ; 162.47,50.41 162.47,51.01 162.48,51.03 v1(162.48,51.6) ; v1(158.71,39.88) 159.27,39.32 160.93,39.32 ; v1(158.71,39.88) 159.34,39.25 159.91,39.25 159.91,38.7 155,33.79 141.77,33.79 140.36,32.38 126.6,32.38 126.38,32.61 v1(122.24,32.61) ; v1(158.71,39.88) 159.35,39.24 159.45,39.24 159.45,38.88 154.83,34.26 141.55,34.26 140.45,33.16 106.34,33.16 95.69,43.81 63.75,43.81 61.88,45.68 61.87,45.68 58.87,48.68 58.87,55.37 58.02,56.22 v1(58.02,56.79) ; v1(158.71,39.88) 152.8,39.88 152.63,39.71 152.63,39.7 149.94,37.01 139.68,37.01 136.77,34.1 106.7,34.1 96.07,44.73 64.13,44.73 62.23,46.63 62.23,46.64 59.78,49.09 59.78,63.24 v1(57.98,65.04) ; v1(158.71,39.88) 159.38,39.21 160.36,39.21 160.36,38.51 155.21,33.36 141.97,33.36 140.54,31.93 125.77,31.93 125.74,31.91 v1(120.81,31.91) ; 150.64,44.88 150.04,44.88 149.89,44.73 138.94,44.73 v1(138.54,45.13) ; 150.64,44.88 158.52,44.88 158.89,44.51 158.89,43.88 160.64,43.88 v1(161.47,43.06) ; 158.69,40.33 152.59,40.33 149.74,37.48 139.52,37.48 137.74,35.71 137.03,35.71 v1(136.92,35.6) ; v1(161.47,43.06) 160.87,43.66 160.87,45.16 159.31,46.71 153.06,46.71 151.22,48.56 138.79,48.56 v1(136.84,50.51) 137.24,50.11 ; v1(161.47,43.06) 160.31,43.06 ; v1(161.47,43.06) 161.89,43.48 161.89,45.48 159.72,47.66 153.4,47.66 151.6,49.46 142.12,49.46 141.77,49.81 v1(141.72,49.81) ; v1(161.47,43.06) 162.06,43.06 162.41,42.71 163.38,42.71 162.04,42.71 161.94,42.61 160.19,42.61 160.13,42.66 151.67,42.66 148.76,39.75 136.95,39.75 133.12,35.92 107.43,35.92 96.75,46.61 64.92,46.61 63.04,48.48 63.03,48.48 61.64,49.87 61.62,49.87 61.62,65.85 57.35,70.12 57.35,70.8 v1(56.95,71.2) ; v1(161.47,43.06) 160.47,44.06 ; v1(161.47,43.06) 161.47,43.71 161.34,43.83 161.34,45.36 159.49,47.21 153.22,47.21 151.41,49.01 140.97,49.01 ; v1(161.47,43.06) 160.27,43.06 159.91,43.41 159.91,44.76 158.87,45.81 151.41,45.81 150.47,46.74 v1(150.47,47.31) ; 163.34,36.28 161.32,34.26 161.18,34.26 ; 163.34,36.28 163.34,35.77 ; 185.49,47.04 185.49,47.23 185.72,47.46 ; 185.49,47.04 185.49,47.06 v1(185.86,47.43) ; 166,44.01 166.05,44.06 166.05,53.21 158.94,60.32 v1(158.94,64.03) ; 166,44.01 166.54,44.01 166.5,44.05 166.5,53.4 164.24,55.66 v1(164.24,64.16) ; v1(139.98,49.43) 140.41,49.01 140.97,49.01 ; 163.27,49.61 163.27,44.01 163.17,44.01 163.12,43.95 ; 163.27,49.61 162.69,50.19 ; v1(143.79,27.06) 144.39,26.46 156.79,26.46 164.72,34.38 164.72,39.23 ; 170.93,38.99 179.93,38.99 186.47,45.53 186.47,49.62 v1(185.75,50.33) ; 168.87,39.13 168.87,38.03 171.69,35.21 172.6,35.21 175.77,32.03 v1(176.34,32.03) ; 168.87,39.13 168.88,39.12 ; 170.6,39.85 179.49,39.85 185.04,45.4 185.04,59.04 185.29,59.29 v1(185.29,59.86) ; v1(172.46,43.66) 170.18,43.66 v1(169.39,42.87) ; 139.15,53.04 137.92,54.27 v1(137.92,55.37) ; 166.89,43.53 167.27,43.53 ; 166.89,43.53 166.06,42.71 ; 166.99,39.46 166.99,35.36 156.81,25.18 v1(156.26,25.18) ; 158.75,39.43 153.02,39.43 151.15,37.57 150.13,36.55 139.88,36.55 136.97,33.64 106.51,33.64 95.88,44.27 63.94,44.27 59.33,48.88 59.33,56.55 58.45,57.43 58.45,57.44 v1(58.05,57.84) ; v1(149.55,46.99) 151.2,45.33 158.72,45.33 159.39,44.66 159.39,44.06 160.47,44.06 ; 140.89,49.01 140.97,49.01 ; v1(138.93,46.66) 140.36,48.08 151.06,48.08 152.89,46.26 159.12,46.26 160.39,44.98 160.39,44.06 160.47,44.06 ; 163.79,42.71 162.64,42.71 162.06,42.13 160.12,42.13 ; v1(171.69,38.31) 171.91,38.53 180.12,38.53 186.94,45.36 186.94,57.39 186.47,57.86 v1(186.47,58.43) ; 170.27,43.94 170.86,44.53 174.29,44.53 177.16,47.4 177.16,60.39 v1(179.9,63.12) ; v1(150.99,25.17) 151.78,25.96 156.94,25.96 165.16,34.18 165.16,39.36 ; 165.22,39.88 165.31,39.98 ; v1(146.69,41.93) 148.31,41.93 150.89,44.51 158.24,44.51 158.24,44.41 158.59,44.06 151.06,44.06 148.16,41.16 136.39,41.16 132.56,37.33 119.12,37.33 v1(118.54,37.91) ; 163.79,39.46 163.81,35.48 163.81,34.73 156.49,27.41 145.27,27.41 144.34,28.33 142.29,28.33 140.89,26.93 v1(137.37,26.93) ; 168.04,43.86 167.69,43.51 ; 163.72,43.28 163.81,43.18 ; 164.27,39.46 164.27,34.56 156.66,26.96 145.09,26.96 144.22,27.83 143.52,27.83 143.01,27.33 142.44,27.33 v1(142.04,26.93) ; 166.92,41.96 166.88,41.92
  Bottom w0.5: v2(166.14,37.08) 166.14,41.18 168.49,43.53 ; 148.68,80.7 151.08,78.31 177.54,78.31 181.59,74.26 181.59,46.74 178.08,43.23 170.83,43.23 ; 161.62,39.83 161.62,37.97 155.65,32 142.36,32 140.64,30.28 108.66,30.28 108.64,30.3 102.15,30.3 101.01,29.16 95.62,29.16 87.15,37.63 61.04,37.63 57.14,41.53 57.13,41.53 35.94,62.72 35.94,82.49 31.31,87.12 29.31,87.12 ; 161.62,39.83 161.39,39.68 ; 161.62,39.83 161.99,39.68 ; 170.67,41.83 178.68,41.83 183.04,46.19 183.04,74.81 173.09,84.76 152.97,84.76 150.68,87.05 148.68,87.05 ; 185.96,74.44 184.46,72.94 184.46,45.62 179.26,40.42 170.82,40.42 ; 170.7,42.54 178.38,42.54 182.31,46.48 182.31,74.53 176.02,80.83 171.89,80.83 171.85,80.79 169.73,80.79 ; 148.52,52.31 124.2,52.31 122.83,53.68 v1(122.83,53.99) ; 148.52,52.31 149.3,51.53 ; 148.52,52.31 161.79,52.31 162.19,52.71 164.02,52.71 164.3,52.43 164.3,44.57 163.12,43.38 ; 166.06,42.71 163.38,42.71 162.07,41.4 v1(161.51,41.4) ; 164.91,74.35 164.91,76.47 166.02,77.58 177.27,77.58 180.84,74.01 180.84,46.97 177.81,43.94 170.27,43.94 ; 169.73,87.14 171.73,87.14 183.74,75.13 183.74,45.9 178.96,41.12 170.62,41.12 ; 160.93,39.32 160.93,38.28 155.46,32.81 142.16,32.81 140.36,31 101.87,31 100.75,29.88 95.92,29.88 87.47,38.33 61.35,38.33 36.66,63.02 36.66,68.12 36.67,72.98 36.67,75.7 45.42,84.46 v1(45.99,84.46) ; 35.24,65.63 35.24,62.43 60.72,36.96 60.72,36.93 86.86,36.93 95.36,28.43 101.32,28.43 102.47,29.58 140.94,29.58 142.74,31.38 156.02,31.38 162.31,37.67 162.31,39.52 ; 35.24,65.63 35.24,65.43 ; 35.24,65.63 35.24,82.18 32.94,84.48 12.86,84.48 10.32,87.02 8.32,87.02 ; v1(166.54,44.72) 166.54,44.01 ; v2(166.69,29.56) 167.66,30.53 167.58,30.61 167.58,39.45 168.44,40.31 ; 163.44,41.38 164.36,41.4 164.81,41.86 ; 168.49,43.53 169.97,43.53 ; 168.49,43.53 169.19,44.23 v1(169.19,45.63) ; 170.09,40.23 170.09,39.91 170.85,39.42 170.93,38.99 v1(171.69,38.31) ; v1(126.12,60.8) 126.12,56.85 129.93,53.04 161.45,53.04 162.06,53.65 164.1,53.65 164.98,52.77 164.98,43.53
  vias: v1(161.3,34.46)
